# Altium PCB SAC100001-PB-Collar.PcbDoc (part 3 of 4)
Units mm, origin at the board's own origin, x right, y up, seen from the top; angles counter-clockwise.
Board outline 131 x 101.6 mm, 4 copper layers (TOP, GND, PWR, BOT), stack 1.57 mm thick; 321 components, 246 nets, 1159 pads, 1505 vias.
Unrouted connection lines stored in the file: 2.
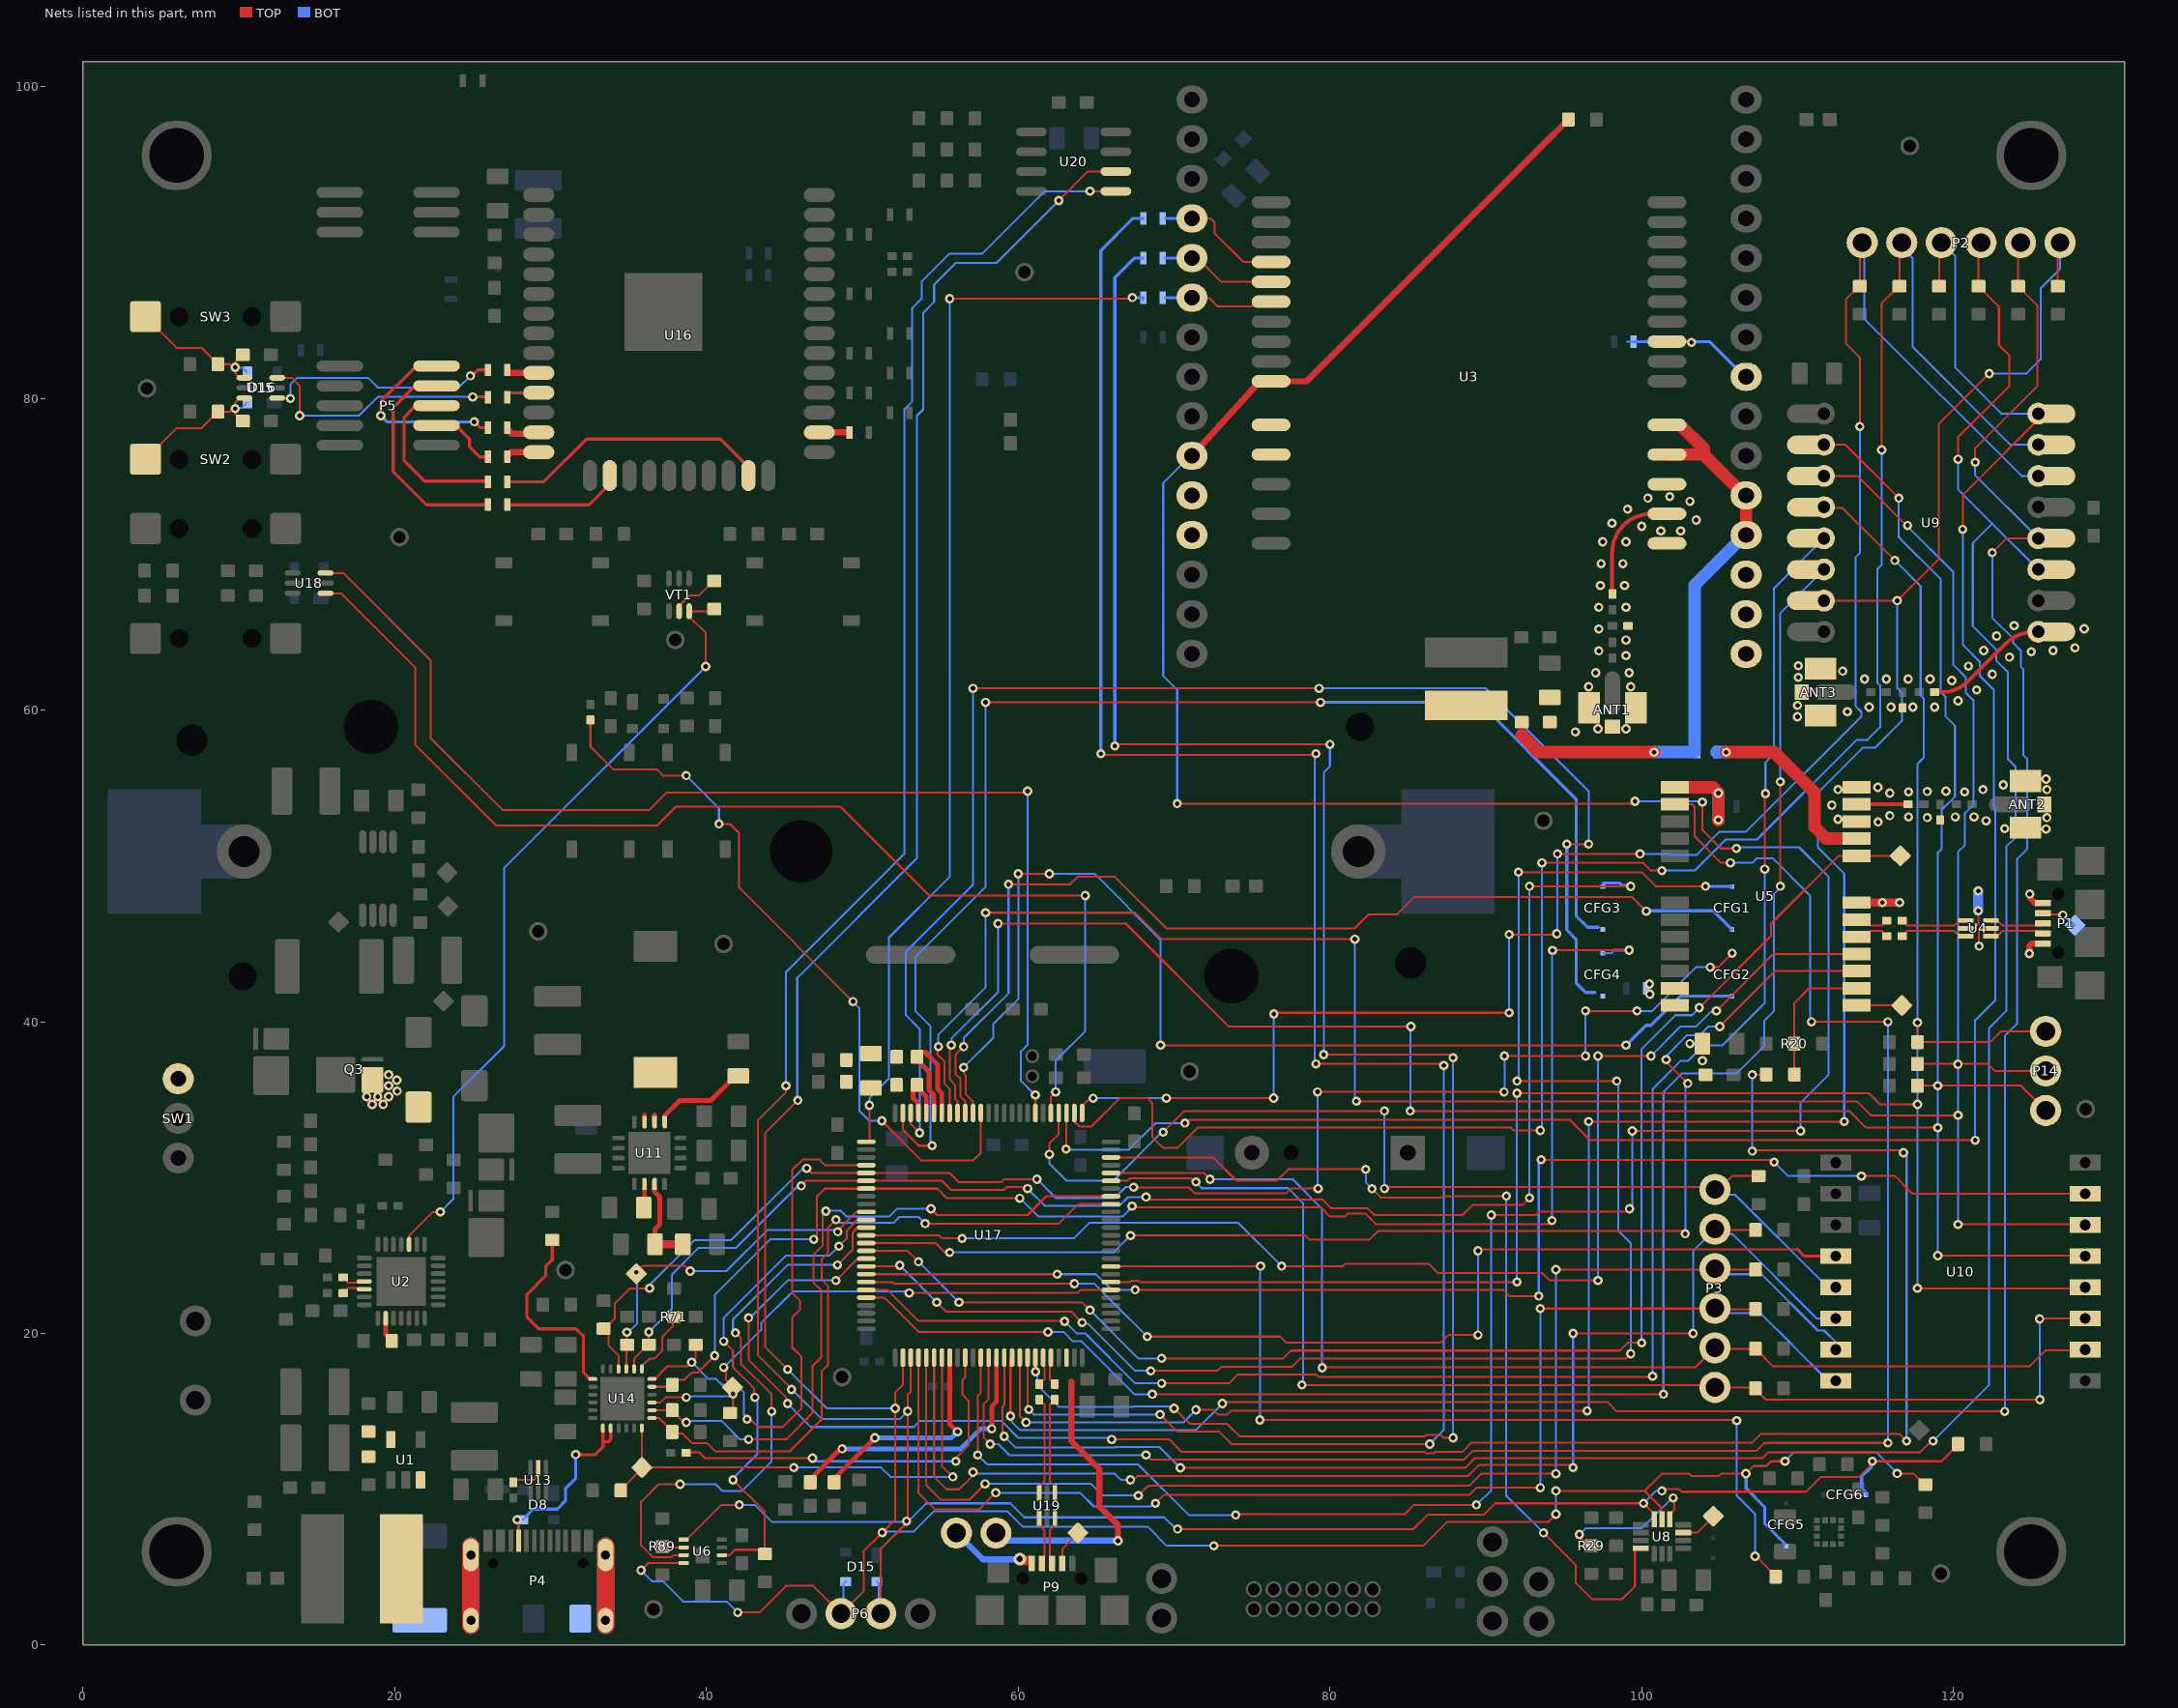
[diagram p5: the nets of this part, all layers, seen from the top]

## Via types
v1: diameter 0.6, hole 0.3, TOP to BOT, tented both sides, 1076 vias
v2: diameter 0.6/0.6 (per signal layer), hole 0.3, TOP to BOT, tented both sides, 359 vias
v3: diameter 0.8, hole 0.4, TOP to BOT, tented both sides, 70 vias

## Nets (pads, with @x,y where several pads share a name; then routed paths per layer and width w, separated by ;. In a path a pad name is that pad's centre, name@x,y a point inside that pad or via, vN(x,y) a via of type N, cw(c..) or ccw(c..) an arc to the next point about the centre after c; other vN are vias at no path point) (continued)
NetJ3_1: J3.1 U3.6 | length 7.1
  TOP w0.127: U3.6@71.145,86.473 71.179,86.439 72.261,86.439 72.8,85.9 74.964,85.9 75.272,86.208 U3.6@76.225,86.208
  BOT w0.2: J3.1@69.45,86.473 U3.6@71.145,86.473
NetJ3_2: J3.2 U17.26 | length 69
  TOP w0.127: U17.26@50.25,32.3 50.37,32.3 50.45,32.38 v1(50.45,34.644) ; v1(55.6,86.4) 67.252,86.4 v1@67.3,86.448
  BOT w0.127: v1(50.45,34.644) 50.45,35.1 51.7,36.35 51.7,45.4 55.6,49.3 v1(55.6,86.4) ; J3.2@68.025,86.273 J3.2@68.025,86.473
  BOT w0.2: v1(67.325,86.473) J3.2@68.025,86.473
NetJ4_1: J4.1 U3.5 | length 7.4
  TOP w0.127: U3.5@71.145,89.013 71.487,89.013 73.015,87.485 U3.5@76.225,87.485
  BOT w0.2: J4.1@69.45,89.013 U3.5@71.145,89.013
NetJ4_2: J4.2 U17.69 | length 129.1
  TOP w0.127: U17.69@61.1,18.45 61.109,18.441 61.109,17.555 v1(61.113,17.55) ; v1(66.2,57.7) 66.3,57.8 v1(80,57.8) ; v1(70,15.2) 71,14.2 73.4,14.2 74.2,13.4 86.084,13.4 86.184,13.5 87.1,13.5 87.3,13.3 v1(87.9,13.3) ; v1(79.6,37.9) 87.7,37.9 v1(87.9,37.7)
  BOT w0.127: v1(61.113,17.55) 61.113,17.542 61.205,17.45 61.212,17.443 61.212,16.688 62.6,15.3 67.384,15.3 67.398,15.313 69.886,15.313 v1(70,15.2) ; v1(79.6,37.9) 79.6,56 80,56.4 v1(80,57.8) ; v1(87.9,13.3) v1(87.9,37.7)
  BOT w0.2: v1(66.2,57.7) 66.2,87.751 67.462,89.013 J4.2@68.025,89.013
NetJ5_1: J5.1 U3.4 | length 8.8
  TOP w0.127: U3.4@71.647,91.553 U3.4@71.145,91.553 72.347,91.553 72.6,91.3 72.6,90.6 74.438,88.762 U3.4@76.225,88.762
  BOT w0.2: J5.1@69.45,91.553 U3.4@71.145,91.553
NetJ5_2: J5.2 U17.68 | length 132.6
  TOP w0.127: U17.68@60.6,18.45 60.6,15.2 v1(60.679,15.121) ; v1(65.3,57.2) 65.377,57.123 79.023,57.123 v1(79.1,57.2) ; v1(69.1,14.8) 70.2,13.7 72.9,13.7 73.7,12.9 v1(86.4,12.9) ; v1(79.1,37.3) 87.2,37.3 v1(87.3,37.2)
  BOT w0.127: v1@60.68,15.121 61.001,14.8 v1(69.1,14.8) ; v1(79.1,37.3) 79.023,37.377 79.023,57.123 v1(79.1,57.2) ; v1(86.4,12.9) 87.3,13.8 v1(87.3,37.2)
  BOT w0.2: v1(65.3,57.2) 65.3,89.5 67.353,91.553 J5.2@68.025,91.553
NetJ6_2: J6.2 U3.23 | length 10.3
  TOP w0.127: U3.23@101.625,83.654 101.652,83.627 103.173,83.627 v1(103.2,83.6) ; U3.23@106.605,81.393 U3.23@106.705,81.393
  BOT w0.127: 99.05,83.65 J6.2@99.5,83.65 ; U3.23@106.605,81.393 U3.23@106.705,81.393
  BOT w0.2: J6.2@99.5,83.65 104.348,83.65 U3.23@106.605,81.393
NetJ7_2: J7.2 U5.9 | length 12.4
  TOP w0.8: v1(105.425,57.3) 108.5,57.3 111.1,54.7 111.1,52.5 111.85,51.75 U5.9@113.6,51.75
  BOT w0.8: J7.2@104.8,57.3 J7.2@104.825,57.3 v1(105.425,57.3)
NetJ8_2: J8.2 U5.23
  other v1: 100.525,41.775 100.5,42.425
NetL1_1: L1.1 U1.3
NetL3_1: L3.1 U11.14 U11.15 | length 0.5
  TOP w0.3: U11.15@36.019,33.8 36.019,34.025 ; U11.14@36.669,33.8 36.669,34.025
NetP1_4: P1.4 TP3.1 | length 2.8
  TOP w0.127: P1.4@125.573,46.902 126.973,46.902 v1(127.025,46.85)
  BOT w0.127: v1(127.025,46.85) 127.675,46.2 TP3.1@127.8,46.2 TP3.1@127.6,46.4
NetP9_4: P9.4 TP25.1 | length 1.9
  TOP w0.127: P9.4@62.825,5.625 62.825,6.166 TP25.1@63.809,7.15
NetR1_1: R1.1 R2.2 U1.5 | length 0.3
  TOP w0.127: U1.5@19.577,13.427 19.75,13.254 U1.5@19.75,13.2
NetR5_1: R5.1 U2.9 | length 1.6
  TOP w0.3: U2.9@19.412,20.973 19.412,19.963 19.8,19.575 R5.1@19.8,19.525
NetR12_1: 3.1 U3.10 U17.62 | length 202.7
  TOP w0.127: v1(57.4,12.2) 57.4,16 57.6,16.2 U17.62@57.6,18.45 ; v1(70.2,54) 99.425,54 v1(99.575,54.15) ; v1(73.95,8.35) 74,8.4 84.8,8.4 85.4,9 v1(89.4,9) ; U3.10@75.298,80.882 U3.10@76.225,81.1 ; v1(90.35,27.6) 93.2,27.6 93.42,27.82 98.95,27.82 99.129,28 v1(99.223,28) ; v1(99.4,33) v1(110.2,33) ; v1(103.9,54.1) 103.9,52.3 105.077,51.123 v1(106.077,51.123)
  TOP w0.4: U3.10@71.145,76.313 U3.10@75.298,80.882 ; U3.10@76.225,81.1 78.5,81.1 93.636,96.236 3.1@95.2,97.8
  BOT w0.127: v1(57.4,12.2) 58,11.6 67.7,11.6 70.95,8.35 v1(73.95,8.35) ; v1(70.2,54) 70.2,61.3 69.3,62.2 69.3,74.568 71.045,76.313 U3.10@71.145,76.313 ; v1(89.4,9) 90.35,9.95 v1(90.35,27.6) ; v1(99.223,28) 99.4,28.177 v1(99.4,33) ; v1(99.575,54.15) 103.85,54.15 v1(103.9,54.1) ; v1(106.077,51.123) 106.143,51.189 106.388,51.189 106.399,51.2 110.1,51.2 112,49.3 112,36.6 110.2,34.8 v1(110.2,33)
NetR14_2: R14.2 U3.17 | length 6.6
  TOP w0.254: R14.2@98.125,67.45 cw(c98.162,67.487) 98.11,67.487 98.11,70.1 cw(c100.61,70.1) U3.17@100.625,72.6
NetR17_1: R17.1 U5.11 | length 3.3
  TOP w0.254: U5.11@113.8,53.95 R17.1@117.1,53.95
NetR21_1: R21.1 U17.41 | length 124
  TOP w0.127: v1(42.7,21) 42.7,18.3 45.13,15.87 45.13,15.57 v1(45.2,15.5) ; v1(48.296,23.4) 49.687,24.791 50.241,24.791 U17.41@50.25,24.8 ; v1(66,13.2) 69.694,13.2 70.494,12.4 86.084,12.4 86.161,12.323 86.639,12.323 86.716,12.4 88.5,12.4 89.1,13 107.1,13 107.654,13.554 116.546,13.554 v1(117,13.1) ; v1(107.1,31.7) 107.152,31.752 116.648,31.752 v1(116.8,31.6) ; v1(107.1,36.6) 107.975,36.6 R21.1@108,36.625
  BOT w0.127: v1(42.7,21) 42.8,21 45.2,23.4 v1(48.296,23.4) ; v1(45.2,15.5) 46.7,14 53.3,14 53.7,14.4 58.9,14.4 60,13.3 65.9,13.3 v1(66,13.2) ; v1(107.1,31.7) v1(107.1,36.6) ; v1(116.8,31.6) 117,31.4 v1(117,13.1)
NetR23_1: R23.1 U17.84 | length 61.2
  TOP w0.127: U17.84@65.95,24.3 75.527,24.3 v1(75.55,24.323) ; v1(75.5,14.454) 106.046,14.454 v1(106.1,14.4) ; v1(107.275,5.7) 107.35,5.7 108.6,4.45 R23.1@108.6,4.4
  BOT w0.127: v1(75.5,14.454) 75.525,14.479 75.525,24.298 v1(75.55,24.323) ; v1(106.1,14.4) 106.1,9.6 107.275,8.425 v1(107.275,5.7)
NetR29_2: R29.2 U8.12 | length 9.7
  TOP w0.127: v1(96,7.1) 96.066,7.034 96.066,6.882 96.301,6.648 96.502,6.648 R29.2@96.775,6.375 ; U8.12@101.809,8.081 101.857,8.129 101.857,8.459 102.1,8.702 102.1,9.373 v1(102.023,9.45)
  BOT w0.127: v1(96,7.1) 96.4,7.5 100,7.5 101.95,9.45 v1(102.023,9.45)
NetR48_1: R48.1 R52.2 U11.7 | length 5.7
  TOP w0.127: U11.7@36.669,29.35 U11.7@36.676,29.343
  TOP w0.3: U11.7@36.669,29.35 36.669,29.082 37,28.751 37,27 36.7,26.7 R52.2@36.7,25.724
  TOP w0.5: R52.2@36.7,25.724 R48.1@38.475,25.724
NetR49_1: R49.1 U11.13 | length 6
  TOP w0.3: U11.13@37.319,33.8 37.319,33.994 38.275,34.95 40.275,34.95 41.85,36.525 R49.1@42.05,36.525
NetR50_1: R50.1 U11.6 | length 1.3
  TOP w0.127: R50.1@36.019,28.131 R50.1@36.075,28.075
  TOP w0.3: R50.1@36.019,28.131 U11.6@36.019,29.35
NetR58_2: R58.2 U13.5 | length 2.1
  TOP w0.127: R58.2@27.7,10.6 28.957,10.6 29.177,10.82 U13.5@29.177,11.357 ; U13.5@29.175,11.355 U13.5@29.2,11.38
NetR60_1: R60.1 U14.19 | length 12.7
  TOP w0.2: R60.1@30.1,26 30.1,24.725 29.675,24.3 29.675,23.7 28.475,22.5 28.475,21.049 29.224,20.3 31.625,20.3 32.1,19.825 32.1,17.504 U14.19@32.527,17.077
NetR71_2: R71.2 U14.13 | length 4.4
  TOP w0.127: U14.13@35.85,17.725 35.85,17.896 35.852,17.898 36.354,18.4 36.667,18.4 37.145,18.878 37.145,19.762 37.826,20.443 37.826,21.001 R71.2@37.9,21.075
NetR89_2: R89.2 U6.2 | length 1.3
  TOP w0.127: R89.2@37.2,6.325 37.25,6.275 U6.2@38.525,6.275
NetTP1_1: TP1.1 U8.10 | length 2.4
  TOP w0.127: U8.10@102.669,7.221 103.571,7.221 104.6,8.25 TP1.1@104.6,8.275
NetTP5_1: TP5.1 U5.1 | length 2.9
  TOP w0.127: U5.1@113.8,41.05 TP5.1@116.7,41.05
NetU8_4: U8.4 U17.98 | length 61.6
  TOP w0.127: U17.98@65.95,31.3 72.5,31.3 74,29.8 76.6,29.8 77.334,30.534 v1(82.3,30.534) ; v1(82.7,29.284) 83.261,28.723 87.16,28.723 87.257,28.82 v1(91.316,28.82) ; v1(93.7,7.2) 95.775,5.125 95.775,3.975 96.8,2.95 98.75,2.95 99.571,3.771 99.571,6.173 99.619,6.221 U8.4@99.949,6.221
  BOT w0.127: v1(82.3,30.534) 82.3,29.684 v1(82.7,29.284) ; v1(91.316,28.82) 91.316,9.584 v1(93.7,7.2)
NRST: R83.1 U17.14 | length 47
  TOP w0.127: R83.1@32.55,59.375 32.55,57.65 34,56.2 36.8,56.2 37.2,55.8 v1(38.7,55.8) ; v1(40.8,52.7) 41.5,52.7 42.1,52.1 42.1,48.6 v1(49.4,41.3) ; v1(51.25,33.65) 53.8,31.1 57.1,31.1 57.6,31.6 U17.14@57.6,34.15
  BOT w0.127: v1(38.7,55.8) 40.8,53.7 v1(40.8,52.7) ; v1(49.4,41.3) 49.8,40.9 49.8,34.3 50.45,33.65 v1(51.25,33.65)
PD_ALERT: R62.1 TP23.1 U14.9 U17.81 | length 35.7
  TOP w0.127: U14.9@36.5,15.575 37.058,15.575 37.383,15.9 v1(38.7,15.9) ; v1(41.1,17.825) 41.1,17.697 41.253,17.544 41.253,17 41.7,16.553 TP23.1@41.7,16.4 ; R62.1@41.5,14.9 41.7,15.1 v1(41.7,16.125) ; v1(53,22.6) 63.816,22.6 64.016,22.8 U17.81@65.95,22.8
  BOT w0.127: v1(38.7,15.9) 38.779,15.979 41.554,15.979 v1(41.7,16.125) ; v1(41.1,17.825) 43.5,20.225 43.5,20.668 45.532,22.7 52.9,22.7 v1(53,22.6)
PD_RESET: R69.2 TP22.1 U14.6 U17.57 | length 32.4
  TOP w0.127: R69.2@34.5,9.925 34.5,9.975 35.85,11.325 TP22.1@35.85,11.4 ; TP22.1@35.85,11.675 U14.6@35.85,13.925 ; TP22.1@35.9,11.4 v1(45.6,11.4) ; U17.57@55.1,18.45 55.1,11.5 v1(55.8,10.8)
  BOT w0.127: v1(45.6,11.4) 51.2,11.4 51.8,10.8 v1(55.8,10.8)
PD_SSMUX: R53.1 U17.60 | length 24.8
  TOP w0.127: R53.1@38.7,12.35 38.725,12.375 39.525,12.375 39.9,12 v1(46.8,12) ; v1(56,11.8) 56,12 56.813,12.813 56.813,15.687 56.423,16.077 56.423,17.023 56.6,17.2 U17.60@56.6,18.45
  BOT w0.127: v1(46.8,12) 47,11.8 v1(56,11.8)
PD_TX_EN: R70.2 TP21.1 U14.15 U17.35 | length 23.3
  TOP w0.127: U14.15@34.85,17.725 R70.2@34.85,19.225 ; v1(34.895,20.081) 34.9,20.076 R70.2@34.9,19.275 ; v1(35.5,23.925) 35.927,24.352 38.598,24.352 v1(38.95,24) ; v1(48.423,26.523) 48.423,26.607 48.877,27.061 48.877,27.077 49.6,27.8 U17.35@50.25,27.8
  BOT w0.127: v1(34.895,20.081) 34.981,20.081 35.55,20.65 35.55,23.875 v1(35.5,23.925) ; v1(38.95,24) 41.275,24 43.925,26.65 48.296,26.65 v1(48.423,26.523)
PDI2C_SCL: R64.1 U14.7 U17.92 | length 44.8
  TOP w0.127: U14.7@36.5,14.575 36.502,14.573 36.952,14.573 37.8,13.725 R64.1@37.8,13.675 37.9,13.575 38.458,13.575 39.085,12.948 40.052,12.948 40.577,12.423 45.313,12.423 47.4,14.51 47.4,17.6 47.8,18 47.8,23.025 47.4,23.425 47.4,24.8 47.8,25.2 47.8,26.8 v1(48.3,27.3) ; v1(54.025,27.05) 62.594,27.05 63.844,28.3 U17.92@65.95,28.3
  BOT w0.127: v1(48.3,27.3) 48.393,27.3 48.593,27.1 51.984,27.1 52.361,27.477 53.598,27.477 v1(54.025,27.05)
PDI2C_SDA: R63.1 U14.8 U17.93 | length 44.9
  TOP w0.127: U14.8@36.5,15.075 R63.1@37.8,15.075 37.8,15.025 38.459,14.366 38.634,14.366 v1(38.7,14.3) ; v1(42.7,13.2) 45.1,13.2 46.8,14.9 46.8,17.9 47.357,18.457 47.357,22.768 46.875,23.25 46.875,25.075 47.457,25.657 47.457,27.563 47.65,27.756 v1(47.65,27.85) ; v1(54.4,28) 54.8,27.6 60.6,27.6 61.809,28.809 65.941,28.809 U17.93@65.95,28.8
  BOT w0.127: v1(38.7,14.3) 38.766,14.366 39.011,14.366 39.02,14.375 40.975,14.375 42.15,13.2 v1(42.7,13.2) ; v1(47.65,27.85) 47.677,27.877 48.623,27.877 49,27.5 51.716,27.5 52.216,28 v1(54.4,28)
PDSPI_MISO: CFG3.3 R68.1 U14.14 U17.31 | length 95
  TOP w0.127: U14.14@35.35,17.725 35.35,18.375 R68.1@36.25,19.275 ; v1(36.298,20.095) 36.3,20.093 R68.1@36.3,19.275 ; v1(46.077,29.468) 46.077,29.477 46.4,29.8 U17.31@50.25,29.8 55.1,29.8 55.7,29.2 59.1,29.2 59.3,29.4 v1@60.509,29.4 ; v1@60.509,29.391 v1(60.6,29.3) ; v1(68.2,28.754) 68.294,28.754 68.448,28.6 79.5,28.6 80.057,28.043 82.4,28.043 82.843,27.6 88.5,27.6 89.143,28.243 92.343,28.243 v1(92.8,28.7) ; v1(92.8,48.7) 92.806,48.694 v1(99.3,48.694)
  BOT w0.127: v1(36.298,20.095) 37.775,21.572 37.775,23.775 39.5,25.5 41.9,25.5 45.802,29.402 46.011,29.402 v1(46.077,29.468) ; v1(60.6,29.3) 61.7,28.2 66.5,28.2 67.054,28.754 v1(68.2,28.754) ; v1(92.8,28.7) v1(92.8,48.7) ; CFG3.3@97.488,48.688 CFG3.3@97.5,48.675 ; v1@99.234,48.76 v1(99.3,48.694)
  BOT w0.2: 97.5,48.9 98.6,48.9 98.74,48.76 v1@99.234,48.76
PDSPI_MOSI: CFG4.3 R67.1 U14.11 U17.32 | length 92.7
  TOP w0.127: U14.11@36.5,16.575 37.675,16.575 37.675,16.625 38.073,17.023 38.222,17.023 38.573,17.023 39.05,17.5 39.45,17.5 v1(40.525,18.575) ; v1(46.88,26.041) 46.924,26.041 47.073,26.19 47.073,28.779 47.585,29.291 50.241,29.291 U17.32@50.25,29.3 50.259,29.291 54.809,29.291 55.423,28.677 v1(60.1,28.677) ; v1(67.3,28.177) 67.366,28.111 67.611,28.111 67.622,28.1 79.4,28.1 80,27.5 80.95,27.5 81.15,27.7 82.258,27.7 82.935,27.023 94.023,27.023 v1(94.243,27.243) ; v1(94.284,44.578) 94.294,44.589 99.189,44.589 v1(99.2,44.6)
  BOT w0.127: v1(40.525,18.575) 40.525,22.475 44.091,26.041 v1(46.88,26.041) ; v1(60.1,28.677) 60.123,28.677 61.3,27.5 66.7,27.5 67.3,28.1 v1(67.3,28.177) ; v1(94.243,27.243) 94.243,44.538 v1(94.284,44.578) ; CFG4.3@97.5,44.4 98.034,44.4 98.234,44.6
  BOT w0.2: 98.234,44.6 v1(99.2,44.6)
PDSPI_NSS: R66.1 U14.12 U17.29 | length 35.5
  TOP w0.127: U14.12@36.5,17.075 36.671,17.075 37.496,17.9 38.8,17.9 v1(39.05,18.15) 39.3,18.4 R66.1@39.3,19.275 ; v1(42.6,14.5) 42.8,14.5 43.3,14 44.9,14 46.1,15.2 46.1,18.5 45.496,19.104 45.496,21.032 46,21.536 46,22.1 45.5,22.6 45.5,30.491 46.186,31.177 47.223,31.177 47.6,30.8 U17.29@50.25,30.8
  BOT w0.127: v1(39.05,18.15) 40.123,17.077 40.623,17.077 41,16.7 41.9,16.7 42.4,16.2 42.4,14.794 42.6,14.594 v1(42.6,14.5)
PDSPI_SCK: CFG2.3 R65.1 U14.16 U17.30 | length 94.8
  TOP w0.127: U14.16@34.35,17.725 34.35,18.583 33.7,19.233 33.7,20.027 33.427,20.3 33.45,20.3 34.127,20.977 34.127,21.943 35.084,22.9 v1(36.35,22.9) ; v1(46.425,30.6) 46.725,30.3 U17.30@50.25,30.3 55.6,30.3 56.2,29.7 58.9,29.7 59.1,29.9 v1(61.2,29.9) ; v1(67.4,29.38) 70.927,29.38 71.307,29 77.2,29 77.5,29.3 v1(79.239,29.3) ; v1(79.2,35.5) v1(91.172,35.5) ; v1(91.2,37.8) v1(96.4,37.8) ; v1(96.4,40.7) v1(99.7,40.7) ; v1(104.4,43.5) 104.9,43.5 v1(105.8,44.4)
  BOT w0.127: v1(36.35,22.9) 36.35,23.11 39.215,25.975 41.559,25.975 46.184,30.6 v1(46.425,30.6) ; v1(61.2,29.9) 62.4,28.7 66.2,28.7 66.9,29.4 67.38,29.4 v1(67.4,29.38) ; v1(79.2,35.5) 79.2,29.339 v1(79.239,29.3) ; v1(91.172,35.5) 91.2,35.528 v1(91.2,37.8) ; v1(96.4,37.8) v1(96.4,40.7) ; v1(99.7,40.7) 100.675,40.7 103.475,43.5 v1(104.4,43.5)
RF1_ANT: R46.2 U9.9 | length 13.1
  TOP w0.127: R46.2@118.8,61.15 119.198,61.15 ; U9.9@125.177,65.025 U9.9@125.45,65.025 U9.9@126.525,65.025
  TOP w0.254: 119.198,61.15 ccw(c119.198,63.69) 120.994,61.894 ; 119.198,61.15 ccw(c119.198,63.69) 120.994,61.894 ; 120.994,61.894 123.381,64.281 ; 123.381,64.281 cw(c125.177,62.485) 125.177,65.025 ccw(c125.177,62.485) 123.381,64.281
RF1_D0: P2.1 R30.1 U9.14 U17.1 | length 123.1
  TOP w0.127: U17.1@64.1,34.15 64.1,34.6 64.6,35.1 v1(64.8,35.1) ; v1@69.5,35.111 v1(76.389,35.111) ; v1(76.4,40.5) 76.48,40.58 v1(91.5,40.58) ; v1(91.5,45.6) 94.5,45.6 v1(94.551,45.651) ; v1(94.6,50.777) v1(99.9,50.777) ; v1(114,78.2) 114,82.625 113.1,83.525 113.1,86.35 113.95,87.2 R30.1@114,87.2 P2.1@114,90.65
  BOT w0.127: v1(64.8,35.1) v1(69.5,35.1) ; v1(76.389,35.111) 76.4,35.1 v1(76.4,40.5) ; v1(91.5,40.58) v1(91.5,45.6) ; v1(94.551,45.651) 94.6,45.7 94.6,50.735 94.621,50.756 v1(94.6,50.777) ; v1(99.9,50.777) 101.708,50.777 101.785,50.7 103.5,50.7 105,52.2 106.7,52.2 114.1,59.6 114.1,59.884 113.723,60.261 113.723,69.795 114,70.072 v1(114,78.2) ; P2.1@114,90.65 114.275,90.375 114.275,85.125 124.375,75.025 U9.14@125.45,75.025
RF1_D1: P2.2 R31.1 U9.15 U17.2 | length 127.6
  TOP w0.127: U17.2@63.6,34.15 63.609,34.141 63.609,33.587 63.923,33.273 64.473,33.273 64.477,33.277 64.677,33.277 66.5,35.1 68.3,35.1 68.6,34.8 68.6,32.6 69.3,31.9 70.2,31.9 71.5,33.2 91.6,33.2 91.777,33.023 v1(93.5,33.023) ; v1(93.6,50.2) 100.1,50.2 100.6,49.7 v1(101.3,49.7) ; v1(115.4,76.7) 115.4,86.11 116.49,87.2 R31.1@116.54,87.2 P2.2@116.54,90.65
  BOT w0.127: v1(93.5,33.023) 93.566,33.089 93.566,33.266 93.6,33.3 v1(93.6,50.2) ; v1(101.3,49.7) 103.4,49.7 105.4,51.7 107.4,51.7 113.8,58.1 114.5,58.1 115.3,58.9 115.3,61.584 115.123,61.761 115.123,69.045 115.4,69.322 v1(115.4,76.7) ; P2.2@116.69,90 116.69,89.688 117.4,88.978 117.4,83.3 123.675,77.025 U9.15@125.45,77.025
RF1_D2: P2.3 R32.1 U9.16 U17.3 | length 131.3
  TOP w0.127: v1(63.071,31.829) 63.091,31.85 63.091,34.141 U17.3@63.1,34.15 ; v1(70.7,33.5) 70.794,33.5 70.994,33.7 95.4,33.7 96.7,32.4 97.4,32.4 v1(121.4,32.4) ; R32.1@119.08,87.2 P2.3@119.08,90.65 ; v1(120.6,71.6) 120.6,73.8 125.825,79.025 U9.16@126.525,79.025
  BOT w0.127: v1(63.071,31.829) 63.1,31.8 67.1,31.8 68.793,33.493 70.693,33.493 v1(70.7,33.5) ; P2.3@119.23,90 120.125,89.105 120.125,81.975 123.075,79.025 U9.16@125.45,79.025 ; v1(120.6,71.6) 120.6,64.2 121.7,63.1 121.7,62.2 122.6,61.3 122.6,53.8 122.7,53.7 122.7,41.4 121.4,40.1 v1(121.4,32.4)
RF1_D3: P2.4 R33.1 U9.11 U17.65 | length 155
  TOP w0.127: v1(59.1,13.4) 59.1,13.528 58.987,13.641 58.987,15.286 59.1,15.4 U17.65@59.1,18.45 ; v1(70.4,11.375) 88.675,11.375 89.3,12 107.752,12 108.129,12.377 117.877,12.377 118.6,13.1 v1(118.7,13.1) ; v1(120.3,76.1) 120.3,77.5 123.6,80.8 123.6,82.75 122.925,83.425 122.925,85.895 121.943,86.877 121.943,86.927 121.67,87.2 R33.1@121.62,87.2 P2.4@121.62,90.65
  BOT w0.127: v1(59.1,13.4) 59.814,12.686 66.213,12.686 66.24,12.714 69.062,12.714 v1(70.4,11.375) ; v1(118.7,13.1) 122.3,16.7 122.3,39.6 123.4,40.7 123.4,51.25 124,51.85 124,56.35 123.5,56.85 123.5,62.45 122.75,63.2 122.75,63.9 121.25,65.4 121.25,70.725 122.5,71.975 ; v1(120.3,76.1) 120.3,74.175 122.5,71.975 ; U9.11@125.45,69.025 122.5,71.975
RF1_D4: P2.5 R35.1 U9.12 U17.66 | length 153.9
  TOP w0.127: v1(59.5,14.7) 59.5,18.35 U17.66@59.6,18.45 ; v1(73.1,15.5) 73.208,15.608 97.792,15.608 98.4,15 v1(123.3,15) ; v1(121.4,75.9) 121.4,76.8 125.4,80.8 125.4,85.96 124.483,86.877 124.483,86.927 124.21,87.2 R35.1@124.16,87.2 P2.5@124.16,90.65 ; v1(122.5,70.1) 123.425,71.025 U9.12@125.45,71.025 U9.12@126.525,71.025
  BOT w0.127: v1(59.5,14.7) 59.57,14.63 59.57,14.33 60.114,13.786 71.386,13.786 v1(73.1,15.5) ; v1(121.4,75.9) 121.4,75.075 U9.12@125.45,71.025 ; v1(122.5,70.1) 122.5,65.925 123.85,64.575 123.85,64.3 124.325,63.825 124.325,62.775 124.5,62.6 124.5,57.1 124.75,56.85 124.75,51.1 124.1,50.45 124.1,39.9 123.3,39.1 v1(123.3,15) ; P2.5@124.376,90.186 P2.5@124.5,90.31
RF1_D5: P2.6 R37.1 U9.7 U17.67 | length 150.8
  TOP w0.127: U17.67@60.1,18.45 60.1,14.7 v1(60.5,14.3) ; v1(71.4,15.1) 72.5,15.1 72.8,14.8 73.4,14.8 73.631,15.031 v1(96.5,15.031) ; v1(96.6,33.6) v1(113,33.6) ; U9.7@110.625,67.025 U9.7@111.7,67.025 v1(116.4,67.025) 119.05,69.675 119.05,78.35 v1(122.3,81.6) ; R37.1@126.7,87.2 P2.6@126.7,90.65
  BOT w0.127: v1(60.5,14.3) 60.513,14.287 70.586,14.287 v1(71.4,15.1) ; v1(96.5,15.031) 96.6,15.131 v1(96.6,33.6) ; v1(113,33.6) 113,49.5 111.3,51.2 111.3,54.7 114.2,57.6 115,57.6 116.7,59.3 116.7,61.1 116.4,61.4 v1(116.4,67.025) ; v1(122.3,81.6) 124.7,81.6 125.6,82.5 125.6,87.053 126.85,88.303 P2.6@126.85,90
RF1_NSS: U9.5 U17.45 | length 112.6
  TOP w0.127: U17.45@50.25,22.8 51.6,22.8 53.6,20.8 62.949,20.8 v1(62.972,20.777) ; v1(69.2,16.8) 73.525,16.8 74.079,17.354 79.13,17.354 79.284,17.2 100.646,17.2 v1(100.7,17.254) ; v1(107.9,49.8) 107.9,54.6 v1(107.943,54.643)
  BOT w0.127: v1(62.972,20.777) 63.74,20.009 64.291,20.009 67.5,16.8 v1(69.2,16.8) ; v1(100.7,17.254) 100.7,35.675 102.525,37.5 103,37.5 104,38.5 105.2,38.5 107.9,41.2 v1(107.9,49.8) ; v1(107.943,54.643) 107.943,56.643 108.5,57.2 108.5,67.825 U9.5@111.7,71.025
RF1_RST: U9.6 U17.46 | length 113
  TOP w0.127: U17.46@50.25,22.3 51.4,22.3 53.6,20.1 v1(61.9,20.1) ; v1(68.6,16.1) v1(101.4,16.1) ; v1(108.9,48.7) v1(108.9,55.4)